# Altium PCB ApolloEcho_Dev_Kit.PcbDoc
Units mm, origin at the board's own origin, x right, y up, seen from the top; angles counter-clockwise.
Board outline 50 x 99.25 mm, 4 copper layers (Top Copper, Plane Layer 1 (Ground), Plane Layer 2 (PWR), Bottom Copper), stack 1.57 mm thick; 74 components, 65 nets, 330 pads, 343 vias.
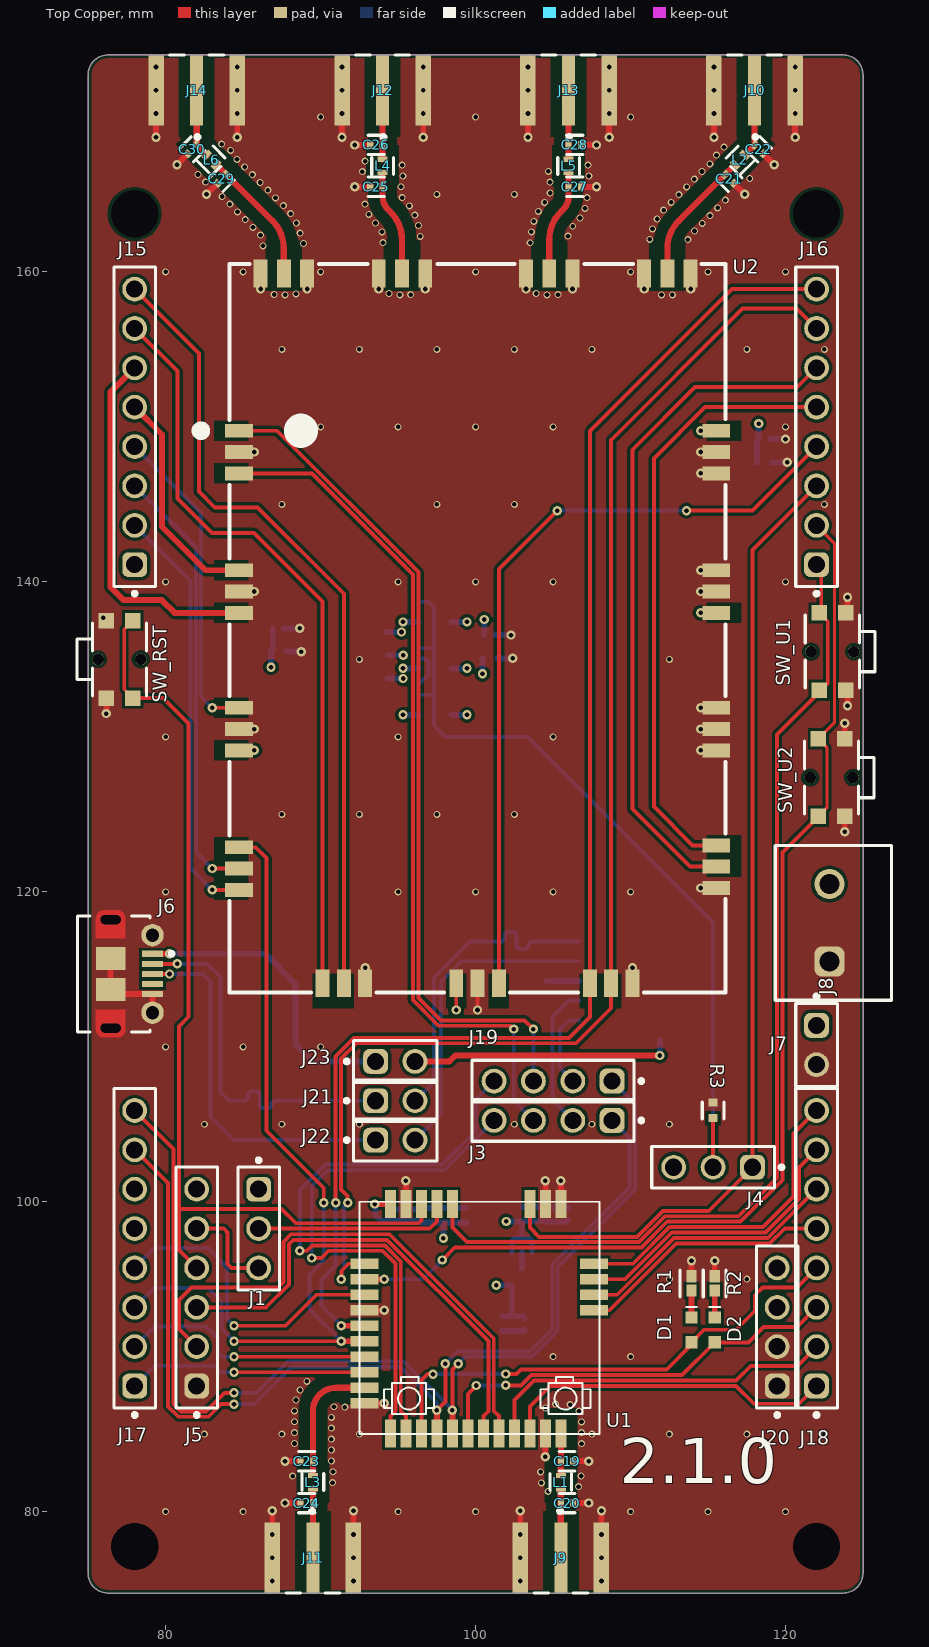
[diagram p0: Top Copper view]
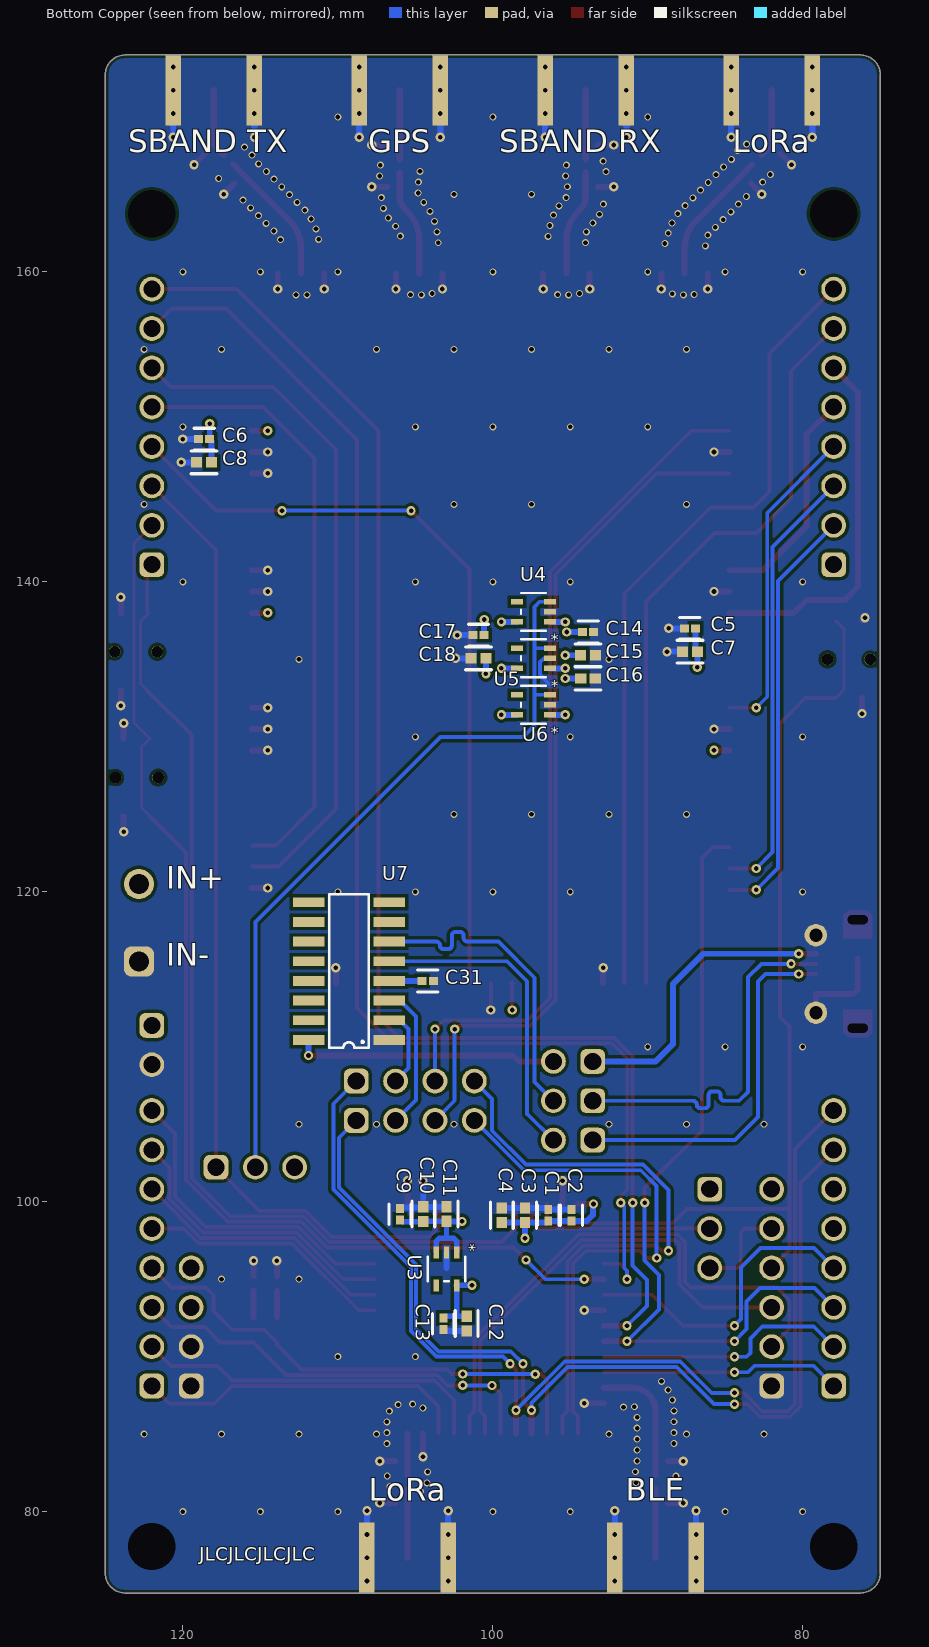
[diagram p1: Bottom Copper view, seen from below]
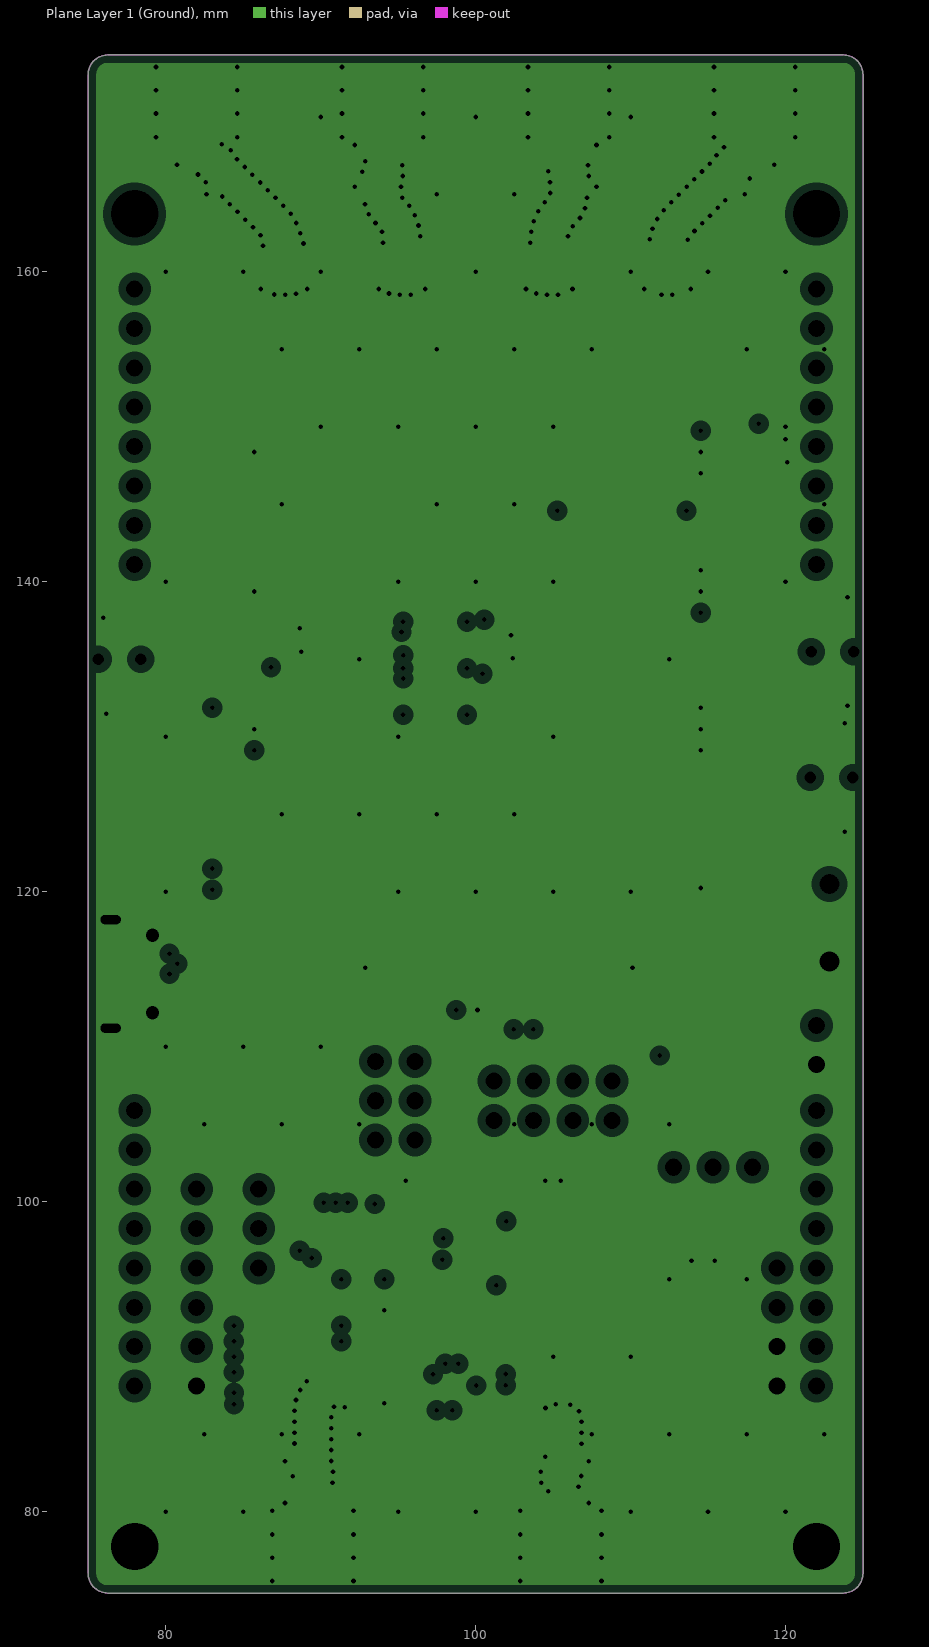
[diagram p2: Plane Layer 1 (Ground), clearances drawn from the general rule]
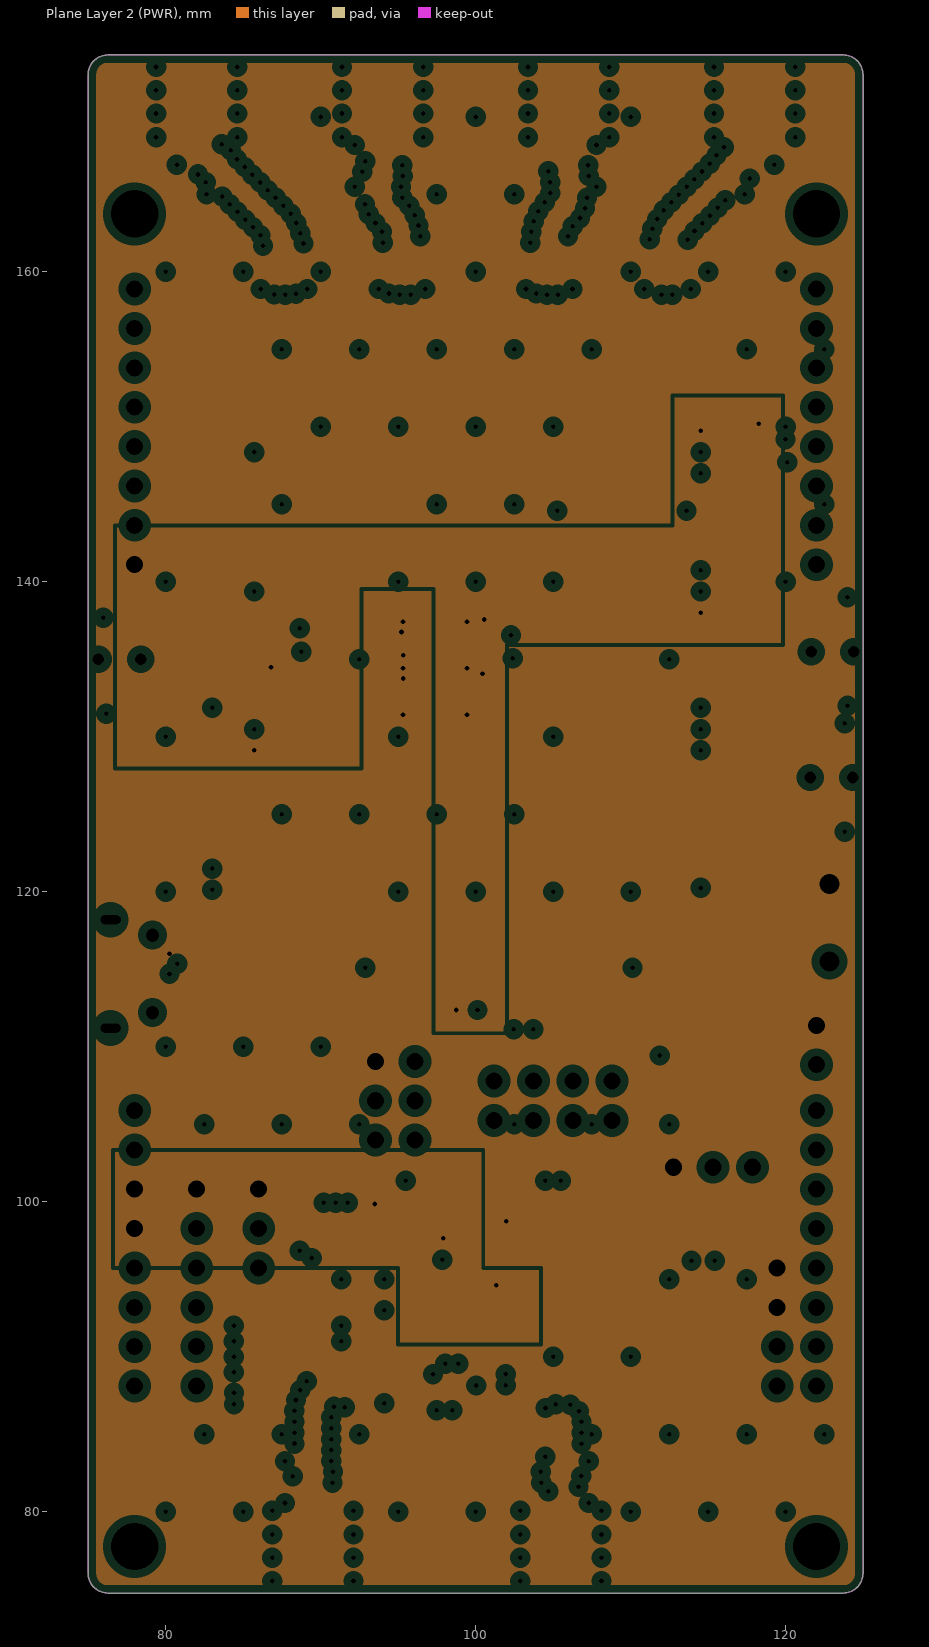
[diagram p3: Plane Layer 2 (PWR), clearances drawn from the general rule]
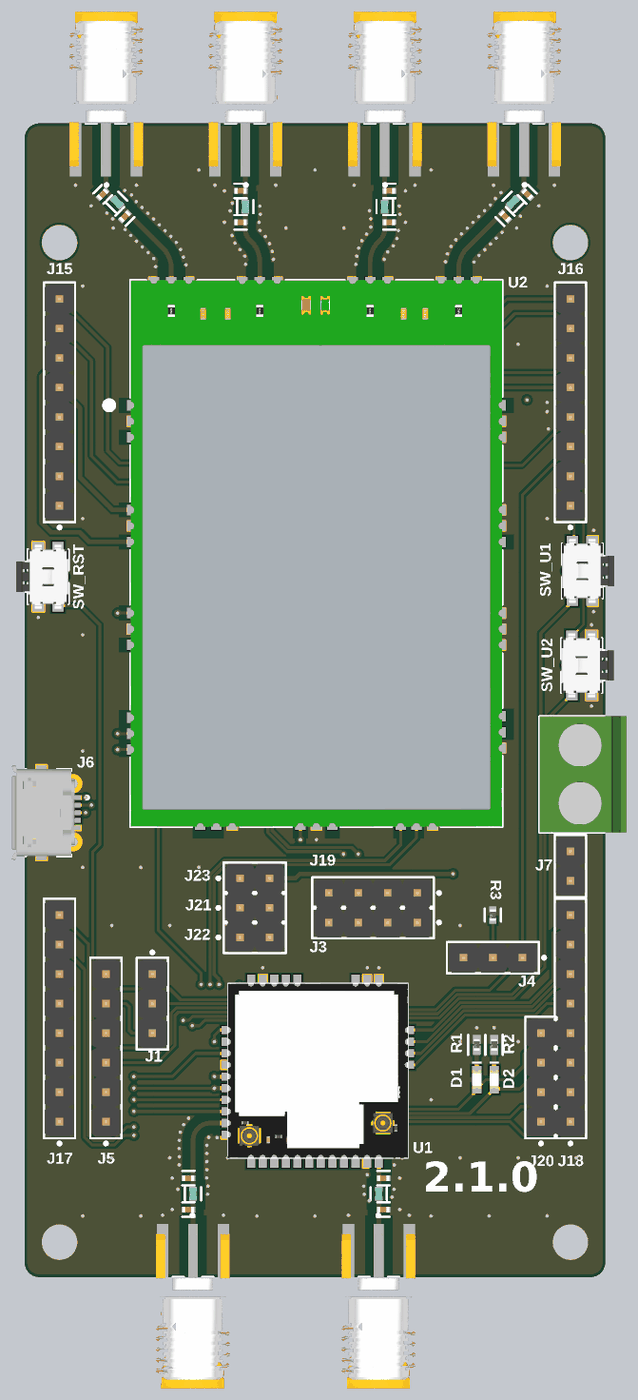
[diagram p4: 3D render of the assembled board from above, using the file's embedded part models]
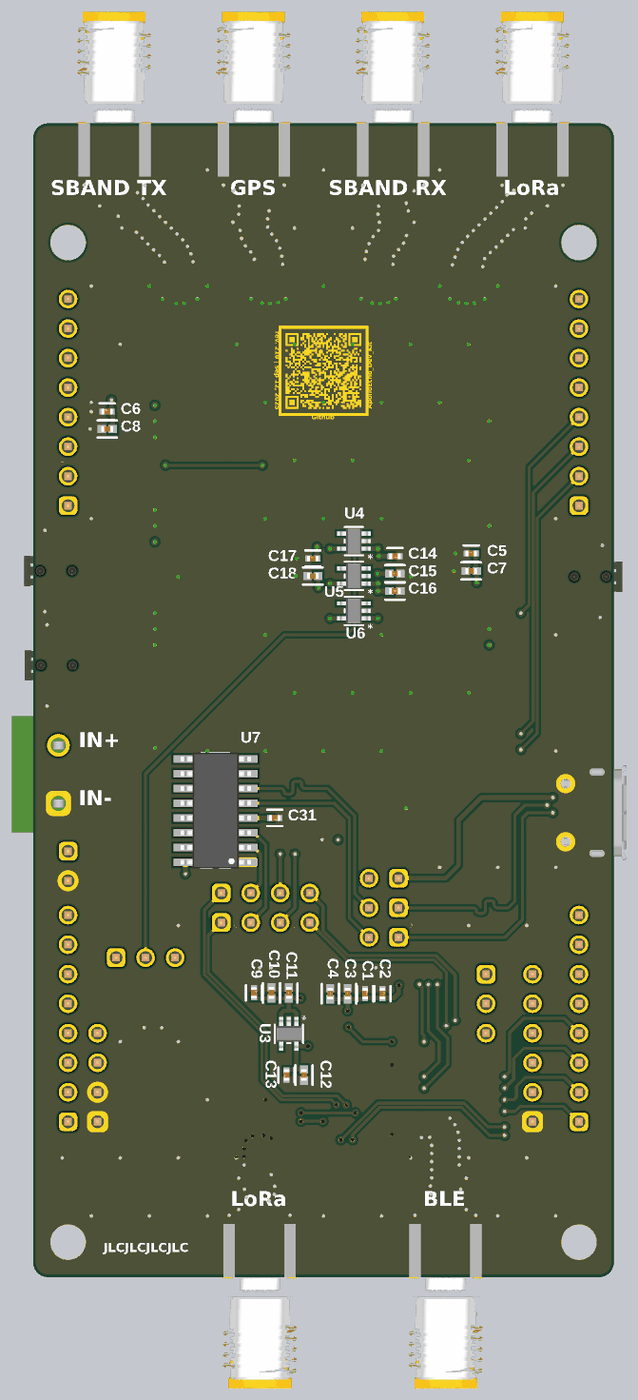
[diagram p5: 3D render of the assembled board from below, using the file's embedded part models]

## Layer stack, top to bottom
Top Mask: solder mask 0.015, Solder Resist, Dk 3.8
Top Copper: signal copper 0.035
Dielectric 1: prepreg 0.2, 7628, Dk 4.6
Plane Layer 1 (Ground): plane copper 0.0175, net GND
Core: core 1.065, FR-4, Dk 4.5
Plane Layer 2 (PWR): plane copper 0.0175, net (Multiple Nets)
Dielectric 2: prepreg 0.2, 7628, Dk 4.6
Bottom Copper: signal copper 0.035
Bottom Mask: solder mask 0.015, Solder Resist, Dk 3.8

## Board outline
75,76.02 ccw(c76.27,76.02) 76.27,74.75 123.73,74.75 ccw(c123.73,76.02) 125,76.02 125,172.73 ccw(c123.73,172.73) 123.73,174 76.27,174 ccw(c76.27,172.73) 75,172.73

## Design rules (kind name [scope] priority, off if disabled: settings)
BoardOutlineClearance [All] p1: gap=0.2 ignorepadtopadclearanceinfootprint=FALSE except(0.4: Arc-SplitBarrior Arc-SplitContinuation Track-SplitBarrior Track-SplitContinuation SMDPad-SplitBarrior SMDPad-SplitContinuation THPad-SplitBarrior THPad-SplitContinuation Via-SplitBarrior Via-SplitContinuation Fill-SplitBarrior Fill-SplitContinuation Poly-SplitBarrior Poly-SplitContinuation Region-SplitBarrior Region-SplitContinuation Text-SplitBarrior Text-SplitContinuation)
Clearance Clearance_RF [InNamedPolygon('GND_L01_P000') vs InNetClass('RF_Nets')] p1: gap=0.2 ignorepadtopadclearanceinfootprint=FALSE except(0.089: Arc-Arc Arc-Track Arc-SMDPad Track-Track Track-SMDPad SMDPad-SMDPad; 0.127: Arc-Via Track-Via SMDPad-Via THPad-Via Via-Via; 0.254: Arc-Text Track-Text SMDPad-Text THPad-Text Via-Text Fill-Text Poly-Text Region-Text Text-Text; 0.75: Arc-Poly Track-Poly SMDPad-Poly)
Clearance [All] p2: gap=0.2 ignorepadtopadclearanceinfootprint=FALSE except(0.089: Arc-Arc Arc-Track Arc-SMDPad Track-Track Track-SMDPad SMDPad-SMDPad; 0.127: Arc-Via Track-Via SMDPad-Via THPad-Via Via-Via; 0.254: Arc-Text Track-Text SMDPad-Text THPad-Text Via-Text Fill-Text Poly-Text Region-Text Text-Text)
HoleSize [All] p1: absolutevalues=TRUE maxlimit=6.3 minlimit=0.2 maxpercent=80.000 minpercent=20.000
MinimumAnnularRing [All] p1: minimumring=0.076
MinimumSolderMaskSliver [All] p1: minsoldermaskwidth=0.1
PlaneClearance [All] p1: clearance=0.508
PlaneConnect [All] p1: planeconnectstyle=Direct reliefexpansion=0.508 reliefentries=4 reliefconductorwidth=0.254 reliefairgap=0.254
PolygonConnect PolygonConnect_1 [All] p1: connectstyle=Direct reliefconductorwidth=0.508 reliefentries=4 polygonreliefangle="90 Angle" airgapwidth=0.254
RoutingCorners [All] p1: cornerstyle=Round minsetback=2.54 maxsetback=2.54
RoutingVias [All] p1: holewidth=0.5 width=1 viastyle="Through Hole" minholewidth=0.2 minwidth=0.45 maxholewidth=1 maxwidth=2
SilkToSilkClearance [All] p1: silktosilkclearance=0.1
SilkToSolderMaskClearance [IsPad] p1: minsilkscreentomaskgap=0.1 clearancetoexposedcopper=TRUE
SolderMaskExpansion [All] p1: expansion=0.102 istentingtop=FALSE
Width [All] p1: maxlimit=2.54 minlimit=0.089 preferedwidth=0.381
23 further rules are at their usual default settings.

## Classes and differential pairs
component class USB_Serial: C31 J3 J6 J19 J21 J22 J23 U7
net class RF_Nets: EM_RF_GPS EM_RF_LORA_SBAND_RX EM_RF_LORA_SBAND_TX EM_RF_LORA_SUBGHZ NetC20_1 NetC22_1 NetC24_1 NetC26_1 NetC28_1 NetC30_1 RAK_BLE_RF_OUT RAK_RF_OUT
component class RF: C19 C20 C21 C22 C23 C24 C25 C26 C27 C28 C29 C30 J9 J10 J11 J12 J13 J14 L1 L2 L3 L4 L5 L6
component class RAK11720: C1 C2 C3 C4 D1 D2 J1 J5 R1 R2 SW_RST SW_U1 SW_U2 U1
component class Power: C9 C10 C11 C12 C13 C14 C15 C16 C17 C18 J4 J7 J8 R3 U3 U4 U5 U6
component class IOs: J15 J16 J17 J18 J20
component class EM2050: C5 C6 C7 C8 U2

## Components (designator, comment, footprint, x,y, rotation, side; value= is the part's Value field where it differs from the comment)
C1 "0402ZD104KAT2A" FP-0402-L_1_0_1-W_0_5_0_1-IPC_C 96.422,99.129 r90 bottom
C2 "0402ZD104KAT2A" FP-0402-L_1_0_1-W_0_5_0_1-IPC_C 94.922,99.129 r90 bottom
C3 "EMK105BJ105KV-F" FP-0402-L_1_0_0_05-W_0_5-IPC_A 99.422,99.129 r90 bottom
C4 "EMK105BJ105KV-F" FP-0402-L_1_0_0_05-W_0_5-IPC_A 97.922,99.129 r90 bottom
C5 "0402ZD104KAT2A" FP-0402-L_1_0_1-W_0_5_0_1-IPC_C 87.278,136.998 r0 bottom
C6 "0402ZD104KAT2A" FP-0402-L_1_0_1-W_0_5_0_1-IPC_C 118.63,149.212 r0 bottom
C7 "EMK105BJ105KV-F" FP-0402-L_1_0_0_05-W_0_5-IPC_A 87.278,135.498 r0 bottom
C8 "EMK105BJ105KV-F" FP-0402-L_1_0_0_05-W_0_5-IPC_A 118.63,147.712 r0 bottom
C9 "0402ZD104KAT2A" FP-0402-L_1_0_1-W_0_5_0_1-IPC_C 105.986,99.199 r90 bottom
C10 "EMK105BJ105KV-F" FP-0402-L_1_0_0_05-W_0_5-IPC_A 104.486,99.199 r90 bottom
C11 "C1005X5R1A225K050BC" FP-C1005-050-0_05-IPC_A 102.986,99.199 r90 bottom
C12 "0402ZD104KAT2A" FP-0402-L_1_0_1-W_0_5_0_1-IPC_C 103.186,92.131 r270 bottom
C13 "EMK105BJ105KV-F" FP-0402-L_1_0_0_05-W_0_5-IPC_A 101.686,92.131 r270 bottom
C14 "0402ZD104KAT2A" FP-0402-L_1_0_1-W_0_5_0_1-IPC_C 93.852,136.766 r180 bottom
C15 "EMK105BJ105KV-F" FP-0402-L_1_0_0_05-W_0_5-IPC_A 93.852,135.266 r180 bottom
C16 "C1005X5R1A225K050BC" FP-C1005-050-0_05-IPC_A 93.852,133.766 r180 bottom
C17 "0402ZD104KAT2A" FP-0402-L_1_0_1-W_0_5_0_1-IPC_C 100.92,136.566 r0 bottom
C18 "EMK105BJ105KV-F" FP-0402-L_1_0_0_05-W_0_5-IPC_A 100.92,135.066 r0 bottom
C19 "GJM1555C1H5R0CB01D" FP-GJM155-0_05-MFG 105.9,83.26 r0 top locked
C20 "GJM1555C1H5R0CB01D" FP-GJM155-0_05-MFG 105.9,80.56 r0 top locked
C21 "GJM1555C1H5R0CB01D" FP-GJM155-0_05-MFG 116.374,165.998 r315 top locked
C22 "GJM1555C1H5R0CB01D" FP-GJM155-0_05-MFG 118.283,167.907 r315 top locked
C23 "GJM1555C1H5R0CB01D" FP-GJM155-0_05-MFG 89.1,83.26 r180 top locked
C24 "GJM1555C1H5R0CB01D" FP-GJM155-0_05-MFG 89.1,80.56 r180 top locked
C25 "GJM1555C1H5R0CB01D" FP-GJM155-0_05-MFG 93.6,165.49 r180 top locked
C26 "GJM1555C1H5R0CB01D" FP-GJM155-0_05-MFG 93.6,168.19 r180 top locked
C27 "GJM1555C1H5R0CB01D" FP-GJM155-0_05-MFG 106.4,165.49 r0 top locked
C28 "GJM1555C1H5R0CB01D" FP-GJM155-0_05-MFG 106.4,168.19 r0 top locked
C29 "GJM1555C1H5R0CB01D" FP-GJM155-0_05-MFG 83.626,165.998 r225 top locked
C30 "GJM1555C1H5R0CB01D" FP-GJM155-0_05-MFG 81.717,167.907 r225 top locked
C31 "0402ZD104KAT2A" FP-0402-L_1_0_1-W_0_5_0_1-IPC_C 104.198,114.247 r180 bottom
D1 "150060VS75000" WL-SMCW_0603_150060xx75000 113.933,91.729 r270 top locked
D2 "150060RS75000" WL-SMCW_0603_150060xx75000 115.433,91.729 r270 top locked
J1 "61300311121" 61300311121 86,98.27 r270 top
J3 "61300411121" 61300411121 105,105.247 r180 top locked
J4 "61300311121" 61300311121 115.323,102.225 r180 top
J5 "61300611121" 61300611121 82,94.46 r90 top
J6 "105017-0001" USB-MICRO-B_V 77.8,114.7 r270 top
J7 "691137710002" 691137710002 123.082,118 r90 top
J8 "61300211121" 61300211121 122,110.112 r270 top locked
J9 "EMPCB.SMAFSTJ.B.HT" FP-EMPCB_SMAFSTJ_B_HT-MFG 105.5,70 r180 top locked
J10 "EMPCB.SMAFSTJ.B.HT" FP-EMPCB_SMAFSTJ_B_HT-MFG 118,178.75 r0 top locked
J11 "EMPCB.SMAFSTJ.B.HT" FP-EMPCB_SMAFSTJ_B_HT-MFG 89.5,70 r180 top locked
J12 "EMPCB.SMAFSTJ.B.HT" FP-EMPCB_SMAFSTJ_B_HT-MFG 94,178.75 r0 top locked
J13 "EMPCB.SMAFSTJ.B.HT" FP-EMPCB_SMAFSTJ_B_HT-MFG 106,178.75 r0 top locked
J14 "EMPCB.SMAFSTJ.B.HT" FP-EMPCB_SMAFSTJ_B_HT-MFG 82,178.75 r0 top locked
J15 "61300811121" 61300811121 78,150 r90 top
J16 "61300811121" 61300811121 122,150 r90 top
J17 "61300811121" 61300811121 78,97 r90 top
J18 "61300811121" 61300811121 122,97 r90 top locked
J19 "61300411121" 61300411121 105,107.787 r180 top locked
J20 "61300411121" 61300411121 119.46,91.92 r90 top locked
J21 "61300211121" 61300211121 94.817,106.517 r0 top locked
J22 "61300211121" 61300211121 94.817,103.977 r0 top locked
J23 "61300211121" 61300211121 94.817,109.057 r0 top locked
L1 "LQW15AN2N9D00D" FP-LQW15AN_00-W0_6-0_1-MFG 105.5,81.91 r270 top locked
L2 "LQW15AN2N9D00D" FP-LQW15AN_00-W0_6-0_1-MFG 117.045,167.235 r45 top locked
L3 "LQW15AN2N9D00D" FP-LQW15AN_00-W0_6-0_1-MFG 89.5,81.91 r270 top locked
L4 "LQW15AN2N9D00D" FP-LQW15AN_00-W0_6-0_1-MFG 94,166.84 r90 top locked
L5 "LQW15AN2N9D00D" FP-LQW15AN_00-W0_6-0_1-MFG 106,166.84 r90 top locked
L6 "LQW15AN2N9D00D" FP-LQW15AN_00-W0_6-0_1-MFG 82.955,167.235 r135 top locked
R1 "RMCF0402FT1K00" FP-RMCF0402-IPC_A 113.933,94.729 r270 top locked
R2 "RMCF0402FT1K00" FP-RMCF0402-IPC_A 115.433,94.729 r270 top locked
R3 "RMCF0402FT1M00" FP-RMCF0402-MFG 115.323,105.897 r270 top
SW_RST "436333045822" 436333045822 77.025,135 r270 top
SW_U1 "436333045822" 436333045822 123.022,135.5 r90 top
SW_U2 "436333045822" 436333045822 122.968,127.372 r90 top
U1 "RAK11720" RAK11720 108,100 r180 top locked
U2 "IOT SAT module" EM2050 100.125,137 r90 top locked value=EM2050
U3 "STLQ020C33R" SOT323-5L_STM 102.986,95.671 r270 bottom
U4 "STLQ020C33R" SOT323-5L_STM 97.38,138.066 r0 bottom
U5 "STLQ020C33R" SOT323-5L_STM 97.38,135.066 r0 bottom
U6 "STLQ020C33R" SOT323-5L_STM 97.38,132.066 r0 bottom
U7 "CH340C" CH340C 109.285,119.327 r0 bottom

## Footprints (in the part's own frame and the unit in brackets; to place one, negate y for a bottom-side part, rotate by r counter-clockwise, add the part's x,y. Pads: shape width x height; smd on the part's side, far side on the other; paste and mask are expansions set on the pad)
61300211121 [mm] "Pin Header, pitch 2.54 mm, THT, Vertical, single row, 2p"
  rrect50% 1.6x1.6 hole 1.1: 1(-1.27,0)
  round 1.6 hole 1.1: 2(1.27,0)
  silkscreen extent -3.26,-1.35 2.69,1.35, body extent -2.54,-1.27 2.54,1.27, height 8.57
61300311121 [mm] "Pin Header, pitch 2.54 mm, THT, Vertical, single row, 3p"
  rrect50% 1.6x1.6 hole 1.1: 1(-2.54,0)
  round 1.6 hole 1.1: 2(0,0) 3(2.54,0)
  silkscreen extent -4.53,-1.35 3.96,1.35, body extent -3.81,-1.27 3.81,1.27, height 8.57
61300411121 [mm] "Pin Header, pitch 2.54 mm, THT, Vertical, single row, 4p"
  rrect50% 1.6x1.6 hole 1.1: 1(-3.81,0)
  round 1.6 hole 1.1: 2(-1.27,0) 3(1.27,0) 4(3.81,0)
  silkscreen extent -5.8,-1.35 5.23,1.35, body extent -5.08,-1.27 5.08,1.27, height 8.57
61300611121 [mm] "Pin Header, pitch 2.54 mm, THT, Vertical, single row, 6p"
  rrect50% 1.6x1.6 hole 1.1: 1(-6.35,0)
  round 1.6 hole 1.1: 2(-3.81,0) 3(-1.27,0) 4(1.27,0) 5(3.81,0) 6(6.35,0)
  silkscreen extent -8.34,-1.35 7.77,1.35, body extent -7.62,-1.27 7.62,1.27, height 8.57
61300811121 [mm] "Pin Header, pitch 2.54 mm, THT, Vertical, single row, 8p"
  rrect50% 1.6x1.6 hole 1.1: 1(-8.89,0)
  round 1.6 hole 1.1: 2(-6.35,0) 3(-3.81,0) 4(-1.27,0) 5(1.27,0) 6(3.81,0) 7(6.35,0) 8(8.89,0)
  silkscreen extent -10.88,-1.35 10.31,1.35, body extent -10.16,-1.27 10.16,1.27, height 8.57
436333045822 [mm] "3.5x4.7 mm SMD J-Bend side push"
  rect 1x1 smd: A1(-2.5,0.85) A2(2.5,0.85) B1(-2.5,-0.85) B2(2.5,-0.85)
  round 0.75 hole 0.75 unplated: MH1(0,1.375) MH2(0,-1.375)
  silkscreen extent -2.35,-2.75 2.35,1.75, body extent -2.75,-2.75 2.75,1.75, height 1.65
691137710002 [mm] "Horizontal Cable Entry with Pressure Clamp, pitch 5mm, 02p"
  rrect50% 1.95x1.95 hole 1.3: 1(-2.5,0.25)
  round 1.95 hole 1.3: 2(2.5,0.25)
  silkscreen extent -5,-3.75 5,3.75, body extent -5,-3.75 5,3.75, height 11.6
CH340C [mil]
  rect 80x25 smd: 1(-102.5,350) 2(-102.5,300) 3(-102.5,250) 4(-102.5,200) 5(-102.5,150) 6(-102.5,100) 7(-102.5,50) 8(-102.5,0) 8(-102.5,0) 9(102.5,0) 9(102.5,0) 10(102.5,50) 11(102.5,100) 12(102.5,150) 13(102.5,200) 14(102.5,250) 15(102.5,300) 16(102.5,350)
  silkscreen extent -50,-20 50,370, body extent -119,-22 119,372, height 65
EM2050 [mm]
  rect 0.9x1.8 smd mask+0.05: P1(12.75,15.4) P2(11.375,15.4) P3(10,15.4) P4(3.75,15.4) P5(2.375,15.4) P6(1,15.4) P7(-5.125,15.4) P8(-6.5,15.4) P9(-7.875,15.4) P10(-14.125,15.4) P11(-15.5,15.4) P12(-16.875,15.4) P22(-16.75,-15.4) P23(-15.375,-15.4) P24(-14,-15.4) P25(-7.875,-15.4) P26(-6.5,-15.4) P27(-5.125,-15.4) P28(1,-15.4) P29(2.375,-15.4) P30(3.75,-15.4) P31(10,-15.4) P32(11.375,-15.4) P33(12.75,-15.4)
  rect 1.8x0.9 smd mask+0.05: P13(-22.9,10) P14(-22.9,8.625) P15(-22.9,7.25) P16(-22.9,1.375) P17(-22.9,0) P18(-22.9,-1.375) P19(-22.9,-7.25) P20(-22.9,-8.625) P21(-22.9,-10) P34(22.9,-13.75) P35(22.9,-12.25) P36(22.9,-10.75) P37(22.9,-6.125) P38(22.9,-4.625) P39(22.9,-3.125) P40(22.9,3.375) P41(22.9,4.875) P42(22.9,6.375) P43(22.9,11) P44(22.9,12.5) P45(22.9,14)
  silkscreen extent -23.5,-16 23.5,17.95, body extent -23.5,-16 23.5,16, height 3.04
FP-0402-L_1_0_0_05-W_0_5-IPC_A [mm]
  rect 0.715x0.672 smd paste+0 mask+0: 1(-0.479,0) 2(0.479,0)
  silkscreen extent -0.84,-0.74 0.84,0.74, body extent -0.5,-0.25 0.5,0.25, height 0.55
FP-0402-L_1_0_1-W_0_5_0_1-IPC_C [mm]
  rect 0.581x0.512 smd paste+0 mask+0: 1(-0.366,0) 2(0.366,0)
  silkscreen extent -0.66,-0.7 0.66,0.7, body extent -0.5,-0.25 0.5,0.25, height 0.56
FP-C1005-050-0_05-IPC_A [mm]
  rect 0.739x0.672 smd paste+0 mask+0: 1(-0.467,0) 2(0.467,0)
  silkscreen extent -0.84,-0.74 0.84,0.74, body extent -0.5,-0.25 0.5,0.25, height 0.55
FP-EMPCB_SMAFSTJ_B_HT-MFG [mm]
  rect 0.85x4.56 smd paste+0 mask+0: 1(0,-7.03)
  rect 1x4.56 smd paste+0 mask+0: 2(-2.62,-7.03) 3(2.62,-7.03)
  rect 1x4.56 smd far side paste+0 mask+0: 4(-2.62,-7.03) 5(2.62,-7.03)
  silkscreen extent -1.75,-10.17 1.75,-4.75, body extent -3.32,-9.41 3.32,5.35, height 0.25
FP-GJM155-0_05-MFG [mm]
  rect 0.4x0.5 smd paste+0 mask+0: 1(-0.4,0) 2(0.4,0)
  silkscreen extent -0.53,-0.63 0.53,0.63, body extent -0.7,-0.38 0.7,0.38, height 0.25
FP-LQW15AN_00-W0_6-0_1-MFG [mm]
  rect 0.35x0.65 smd paste+0 mask+0: 1(-0.425,0) 2(0.425,0)
  silkscreen extent -0.55,-0.7 0.55,0.7, body extent -0.7,-0.45 0.7,0.45, height 0.25
FP-RMCF0402-IPC_A [mm]
  rect 0.781x0.672 smd paste+0 mask+0: 1(-0.466,0) 2(0.466,0)
  silkscreen extent -0.86,-0.74 0.86,0.74, body extent -1.06,-0.54 1.06,0.54, height 0.25
FP-RMCF0402-MFG [mm]
  rect 0.5x0.6 smd paste+0 mask+0: 1(-0.5,0) 2(0.5,0)
  silkscreen extent -0.55,-0.7 0.55,0.7, body extent -0.85,-0.4 0.85,0.4, height 0.25
RAK11720 [mm]
  rect 0.7x1.8 smd: 1(13.5,14.945) 2(12.5,14.945) 3(11.5,14.945) 4(10.5,14.945) 5(9.5,14.945) 6(8.5,14.945) 7(7.5,14.945) 8(6.5,14.945) 9(5.5,14.945) 10(4.5,14.945) 11(3.5,14.945) 12(2.5,14.945) 17(2.5,0.145) 18(3.5,0.145) 19(4.5,0.145) 20(9.5,0.145) 21(10.5,0.145) 22(11.5,0.145) 23(12.5,0.145) 24(13.5,0.145)